# KiCad board psc_carrier_brd.kicad_pcb
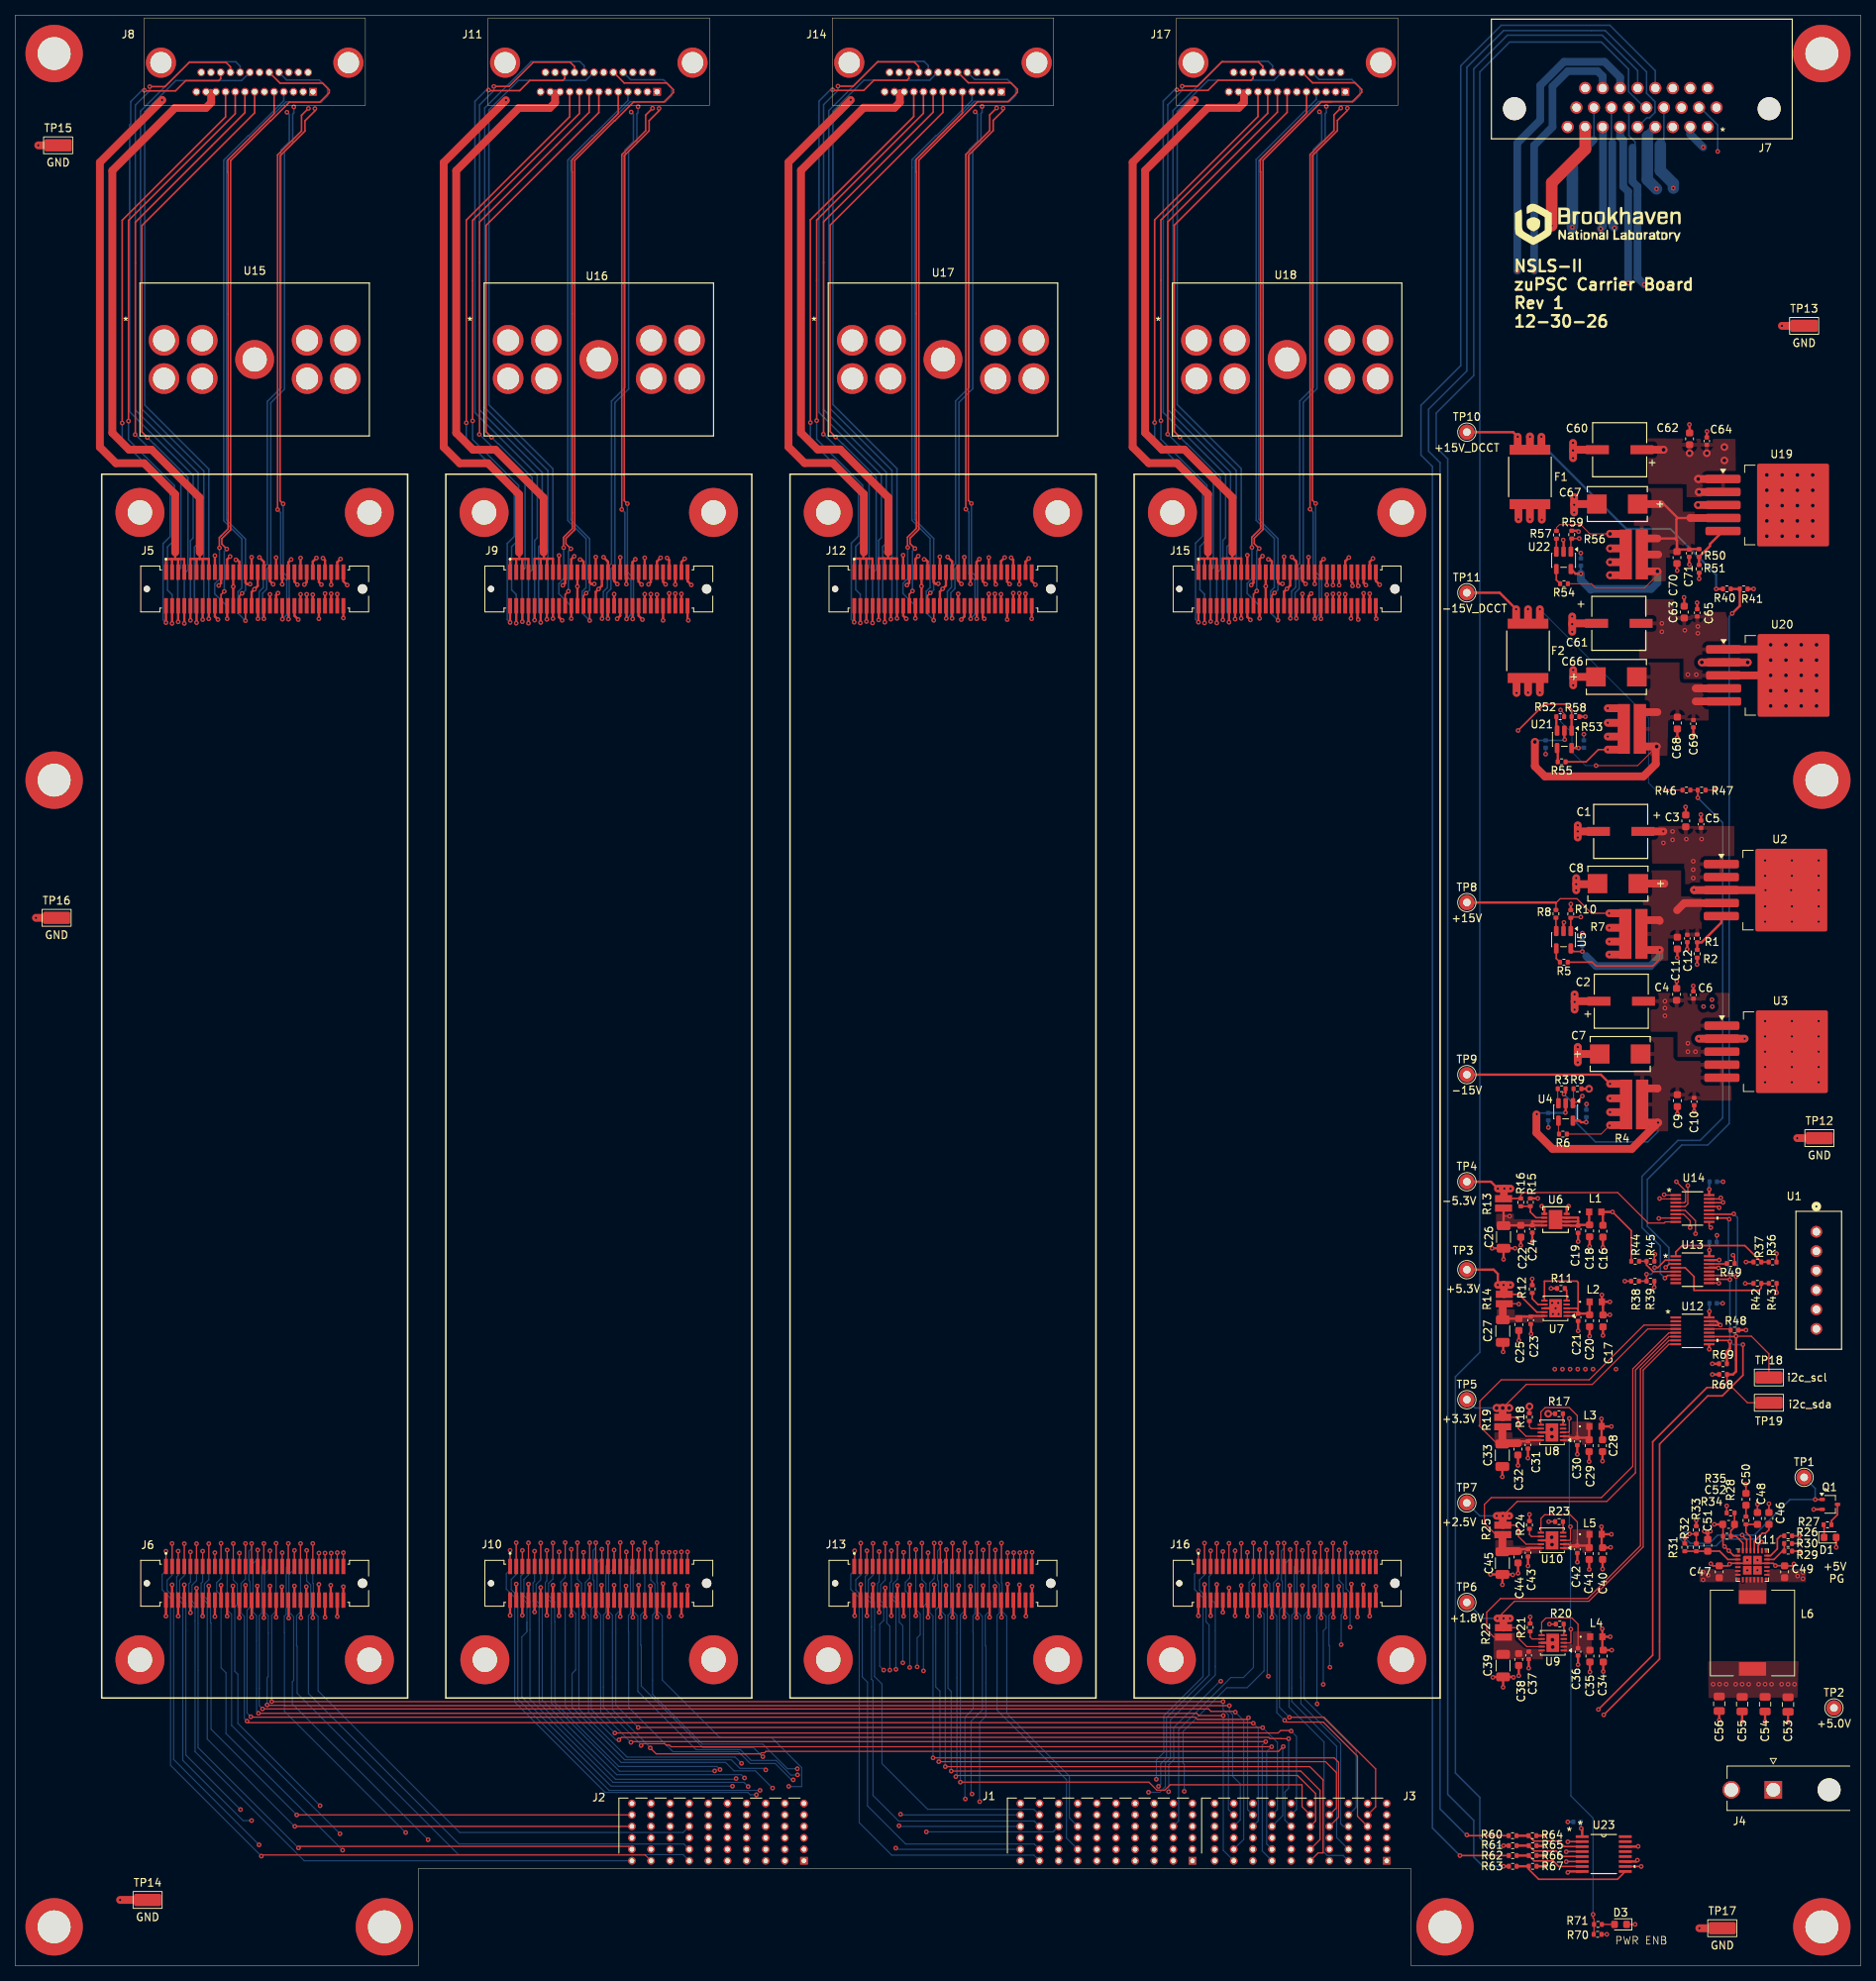
[diagram p0: board, top side]
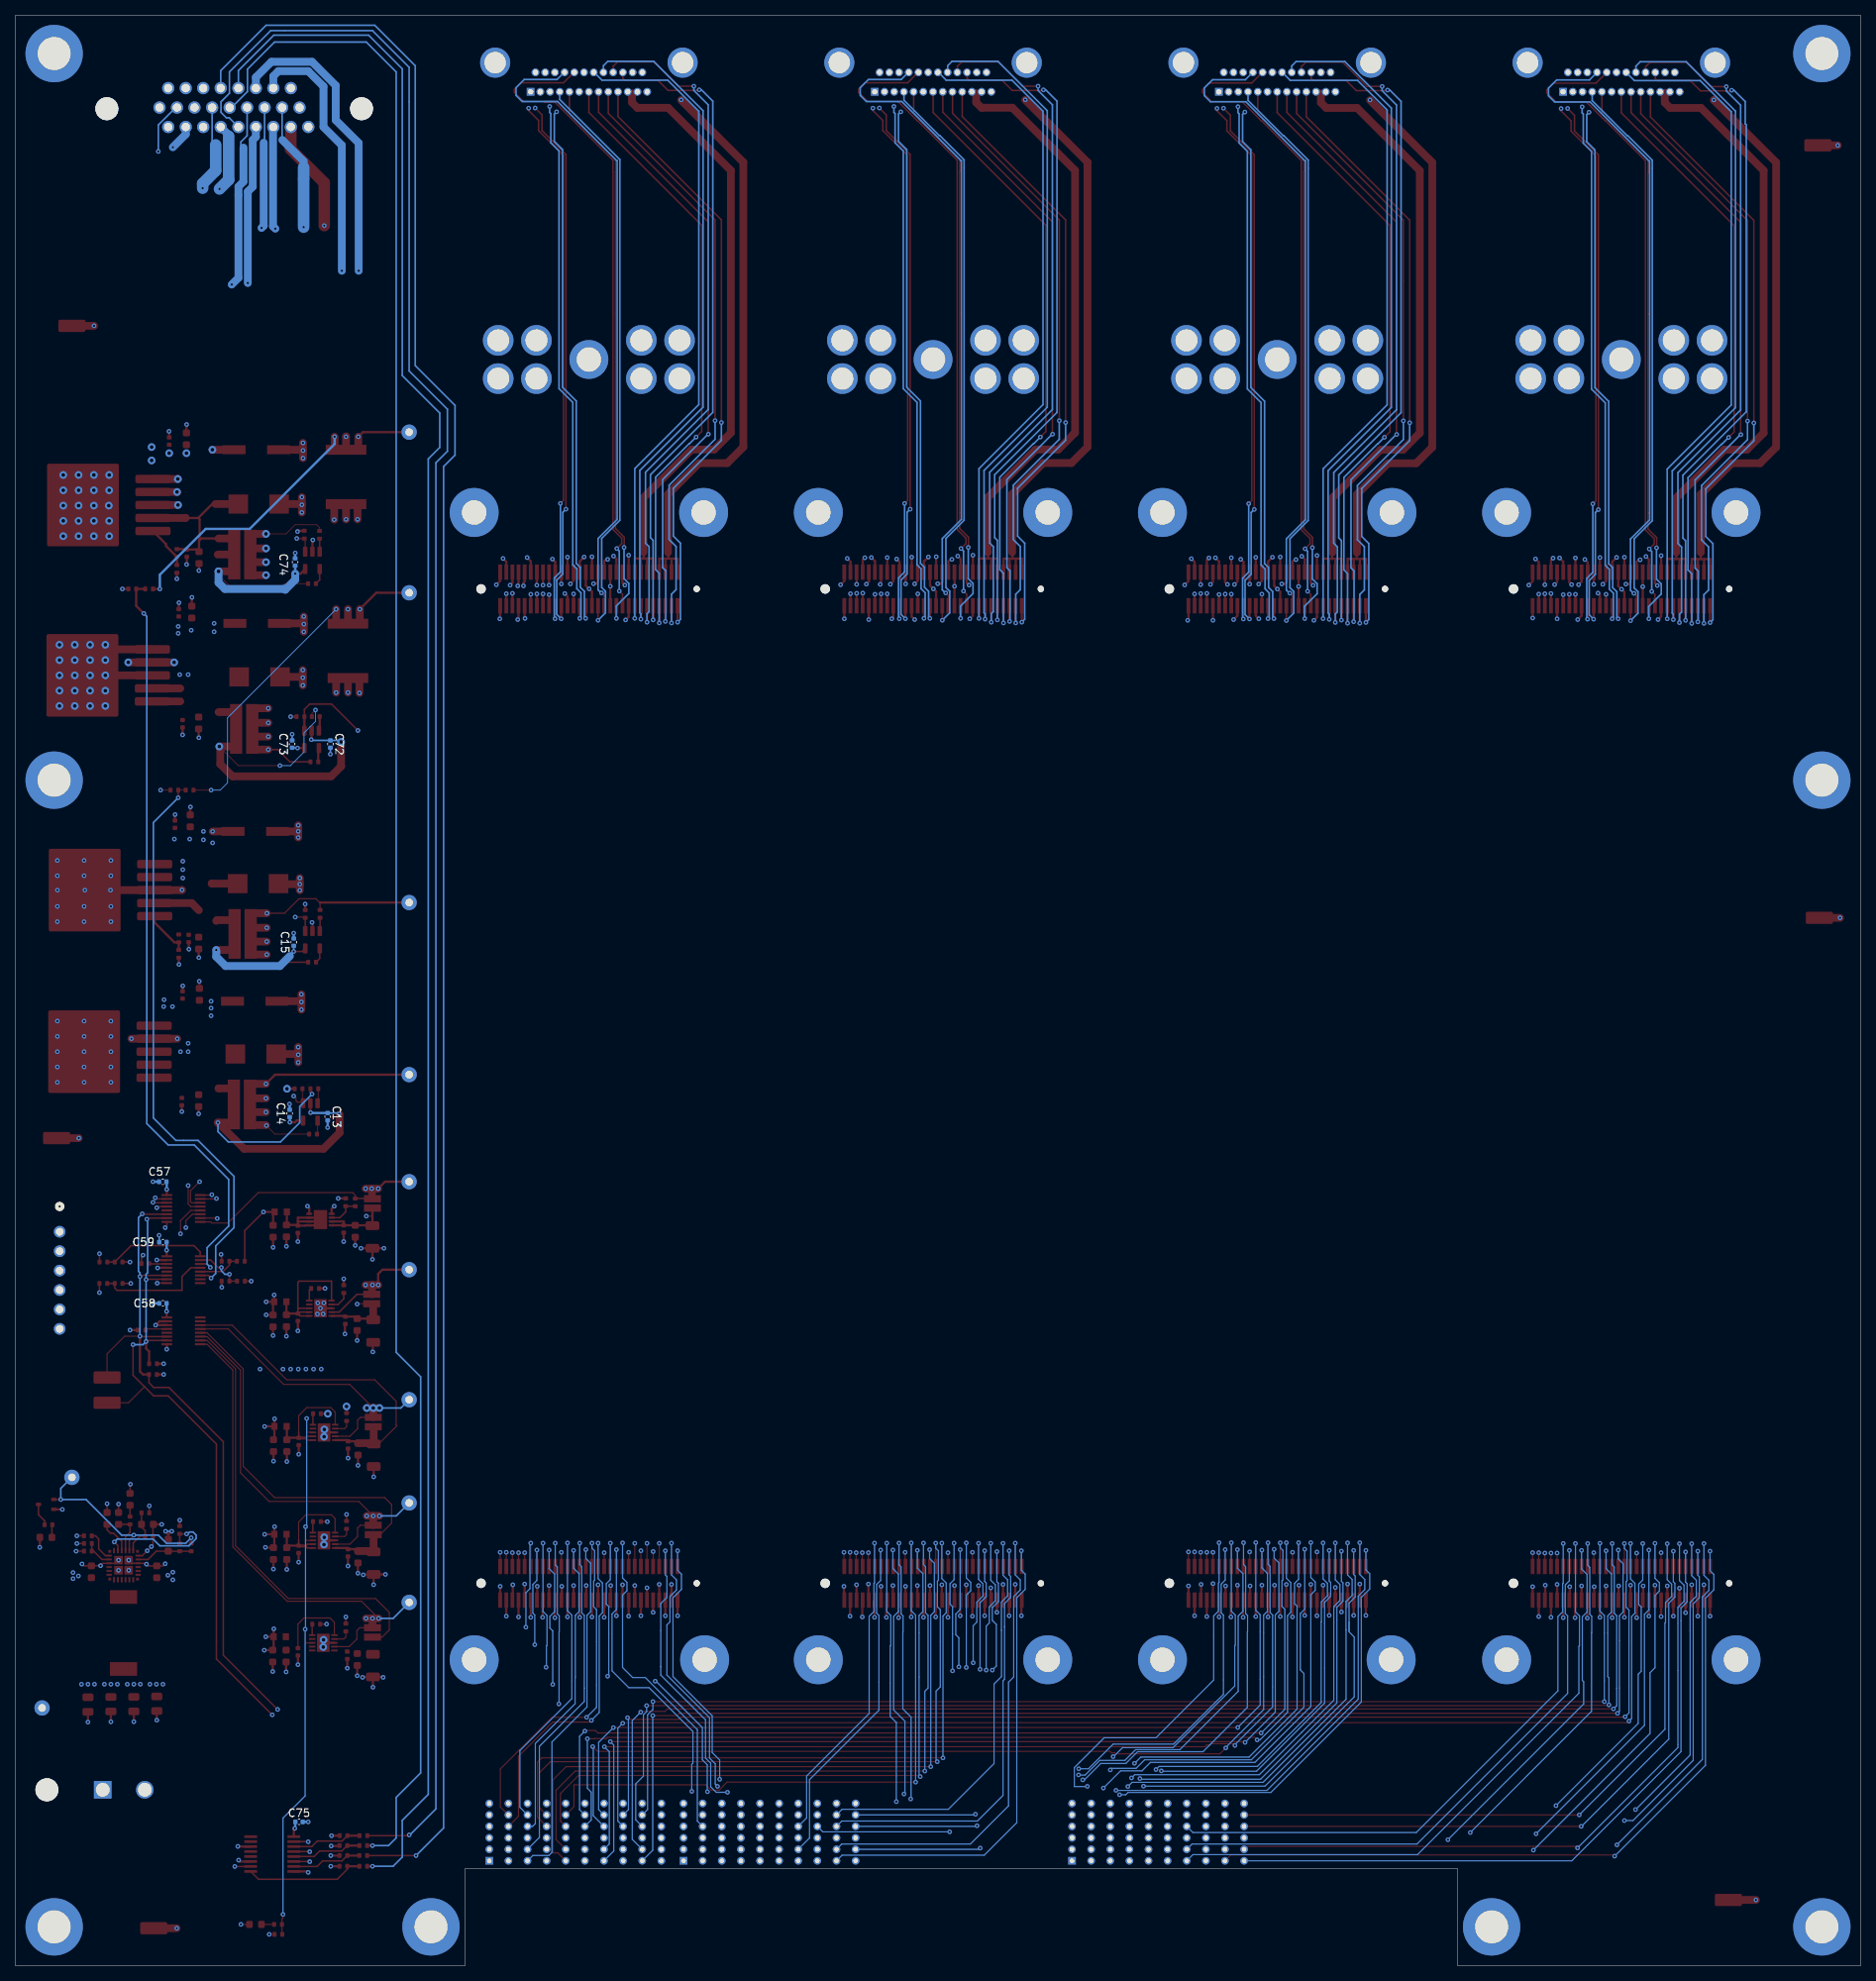
[diagram p1: board, bottom side, seen from below]

Outline 241.3 x 255 mm; copper layers: Top, In1.Cu - GND (plane), In2.Cu - Signal, In3.Cu - GND, In4.Cu - PWR, In5.Cu -PWR, In6.Cu - GND (plane), In7.Cu - SIG, In8.Cu - GND (plane), Bottom. Coordinates in mm from the lower left corner of the outline.
Outline path: 0,255 241.3,255 241.3,0 182.5,0 182.5,12.7 52.7,12.7 52.7,0 0,0 0,255
Stack: Top 0.035mm / dielectric 0.1mm FR4 er 4.5 / In1.Cu - GND 0.035mm / dielectric 0.1825mm FR4 er 4.5 / In2.Cu - Signal 0.035mm / dielectric 0.1mm FR4 er 4.5 / In3.Cu - GND 0.035mm / dielectric 0.1825mm FR4 er 4.5 / In4.Cu - PWR 0.035mm / dielectric 0.1mm FR4 er 4.5 / In5.Cu -PWR 0.035mm / dielectric 0.1825mm FR4 er 4.5 / In6.Cu - GND 0.035mm / dielectric 0.1mm FR4 er 4.5 / In7.Cu - SIG 0.035mm / dielectric 0.1825mm FR4 er 4.5 / In8.Cu - GND 0.035mm / dielectric 0.1mm FR4 er 4.5 / Bottom 0.035mm

## Placement (name value [footprint] x y rotation side)
C1  100uF  [CAP_EEFK_D8_PAN]  209.92 148.3 180 top
C2  100uF  [CAP_EEFK_D8_PAN]  209.99 126.1 0 top
C3  10uF  [C_0603_1608Metric]  218.43 149.68 90 top
C4  10uF  [C_0603_1608Metric]  217.23 127 90 top
C5  0.1uF  [C_0402_1005Metric]  220.43 149.24 90 top
C6  0.1uF  [C_0402_1005Metric]  219.43 126.92 90 top
C7  100uF  [CAPMP7.6X4.3_4.3N_KEM]  209.85 119.2 0 top
C8  100uF  [CAPMP7.6X4.3_4.3N_KEM]  209.55 141.47 180 top
C9  10uF  [C_0603_1608Metric]  217.32 113.1 270 top
C10  0.1uF  [C_0402_1005Metric]  219.53 112.97 270 top
C11  10uF  [C_0603_1608Metric]  217.32 133.7 270 top
C12  0.1uF  [C_0402_1005Metric]  218.62 134.3 270 top
C13  0.1uF  [C_0402_1005Metric]  200.45 111 270 bottom
C14  0.1uF  [C_0402_1005Metric]  205.43 111.43 90 bottom
C15  0.1uF  [C_0402_1005Metric]  204.89 133.82 90 bottom
C16  10uF  [C_0603_1608Metric]  207.59 96.03 270 top
C17  10uF  [C_0603_1608Metric]  207.6 84.3 270 top
C18  10uF  [C_0603_1608Metric]  205.85 96.07 270 top
C19  0.1uF  [C_0402_1005Metric]  204.35 96.28 270 top
C20  10uF  [C_0603_1608Metric]  205.85 84.32 270 top
C21  0.1uF  [C_0402_1005Metric]  204.35 84.78 270 top
C22  10uF  [C_0603_1608Metric]  196.85 96.03 270 top
C23  0.1uF  [C_0402_1005Metric]  198.15 84.38 270 top
C24  0.1uF  [C_0402_1005Metric]  198.36 96.32 270 top
C25  10uF  [C_0603_1608Metric]  196.6 83.82 270 top
C26  100uF  [C_1206_3216Metric]  194.6 95.28 270 top
C27  100uF  [C_1206_3216Metric]  194.5 82.97 270 top
C28  10uF  [C_0603_1608Metric]  207.54 67.99 270 top
C29  10uF  [C_0603_1608Metric]  205.79 67.99 270 top
C30  0.1uF  [C_0402_1005Metric]  204.24 68.55 270 top
C31  0.1uF  [C_0402_1005Metric]  197.79 68.08 270 top
C32  10uF  [C_0603_1608Metric]  196.48 67.54 270 top
C33  100uF  [C_1206_3216Metric]  194.44 66.74 270 top
C34  10uF  [C_0603_1608Metric]  207.64 40.49 270 top
C35  10uF  [C_0603_1608Metric]  205.89 40.49 270 top
C36  0.1uF  [C_0402_1005Metric]  204.34 41.04 270 top
C37  0.1uF  [C_0402_1005Metric]  197.89 40.58 270 top
C38  10uF  [C_0603_1608Metric]  196.58 40.04 270 top
C39  100uF  [C_1206_3216Metric]  194.54 39.24 270 top
C40  10uF  [C_0603_1608Metric]  207.55 53.88 270 top
C41  10uF  [C_0603_1608Metric]  205.8 53.88 270 top
C42  0.1uF  [C_0402_1005Metric]  204.25 54.44 270 top
C43  0.1uF  [C_0402_1005Metric]  197.8 53.98 270 top
C44  10uF  [C_0603_1608Metric]  196.49 53.44 270 top
C45  100uF  [C_1206_3216Metric]  194.45 52.63 270 top
C46  0.022uF  [C_0603_1608Metric]  229.3 58.48 90 top
C47  10uF  [C_0603_1608Metric]  222.8 51.5 90 top
C48  10pF  [C_0603_1608Metric]  227.8 58.48 90 top
C49  10uF  [C_0603_1608Metric]  231.35 51.5 90 top
C50  330pF  [C_0603_1608Metric]  226.3 60.98 90 top
C51  1uF  [C_0603_1608Metric]  221.3 54.98 90 top
C52  10pF  [C_0603_1608Metric]  224.03 57.7 0 top
C53  22uF  [C_0805_2012Metric]  231.8 34.15 270 top
C54  22uF  [C_0805_2012Metric]  228.8 34.19 270 top
C55  22uF  [C_0805_2012Metric]  225.8 34.2 270 top
C56  22uF  [C_0805_2012Metric]  222.8 34.25 270 top
C57  0.1uF  [C_0402_1005Metric]  222.02 102.5 0 bottom
C58  0.1uF  [C_0402_1005Metric]  222 86.6 0 bottom
C59  0.1uF  [C_0402_1005Metric]  222 94.6 0 bottom
C60  100uF  [CAP_EEFK_D8_PAN]  209.78 198.2 180 top
C61  100uF  [CAP_EEFK_D8_PAN]  209.68 175.5 0 top
C62  10uF  [C_0603_1608Metric]  218.93 199.62 90 top
C63  10uF  [C_0603_1608Metric]  218.23 176.97 90 top
C64  0.1uF  [C_0402_1005Metric]  221.18 199.33 90 top
C65  0.1uF  [C_0402_1005Metric]  219.93 176.88 90 top
C66  100uF  [CAPMP7.6X4.3_4.3N_KEM]  209.35 168.5 0 top
C67  100uF  [CAPMP7.6X4.3_4.3N_KEM]  209.48 191.1 180 top
C68  10uF  [C_0603_1608Metric]  217.32 162.47 270 top
C69  0.1uF  [C_0402_1005Metric]  219.43 162.38 270 top
C70  10uF  [C_0603_1608Metric]  217.28 184.1 270 top
C71  0.1uF  [C_0402_1005Metric]  218.88 184.68 270 top
C72  0.1uF  [C_0402_1005Metric]  200.1 159.72 270 bottom
C73  0.1uF  [C_0402_1005Metric]  205.1 159.72 90 bottom
C74  0.1uF  [C_0402_1005Metric]  204.71 183.52 90 bottom
C75  0.1uF  [C_0402_1005Metric]  204.2 18.8 180 bottom
D1  GREEN  [LED_0603_1608Metric]  237.3 56 0 top
D3  GREEN  [LED_0603_1608Metric]  209.9 5.4 180 top
F1  Polyfuse  [FUSE_SMDC300F&slash_24-2_LTF]  198.05 194.64 90 top
F2  Polyfuse  [FUSE_SMDC300F&slash_24-2_LTF]  197.8 171.91 90 top
G***  LOGO  [bnl_logo]  207.9 227.5 0 top
J1  6469028-1  [TE_6469028-1]  153.92 13.72 0 top
J2  6469028-1  [TE_6469028-1]  103.12 13.72 0 top
J3  6469028-1  [TE_6469028-1]  179.32 13.72 0 top
J4  39301022  [MOLEX_39301022]  229.87 23 90 top
J5  61083-061402LF  [AMPHENOL_61083-061402LF]  31.3 180 0 top
J6  61083-061402LF  [AMPHENOL_61083-061402LF]  31.3 50 0 top
J7  1731130154  [CONN_F15-26P135G0-5979_MOL]  221.3 240.4 0 top
J8  -  [0836149012]  31.3 245 180 top
J9  61083-061402LF  [AMPHENOL_61083-061402LF]  76.3 180 0 top
J10  61083-061402LF  [AMPHENOL_61083-061402LF]  76.3 50 0 top
J11  -  [0836149012]  76.3 245 180 top
J12  61083-061402LF  [AMPHENOL_61083-061402LF]  121.3 180 0 top
J13  61083-061402LF  [AMPHENOL_61083-061402LF]  121.3 50 0 top
J14  -  [0836149012]  121.3 245 180 top
J15  61083-061402LF  [AMPHENOL_61083-061402LF]  166.3 180 0 top
J16  61083-061402LF  [AMPHENOL_61083-061402LF]  166.3 50 0 top
J17  -  [0836149012]  166.3 245 180 top
L1  LSMGG160808T331RG  [IND_LSMG_160808_TAY]  206.59 98.55 0 top
L2  LSMGG160808T331RG  [IND_LSMG_160808_TAY]  206.65 86.8 0 top
L3  LSMGG160808T331RG  [IND_LSMG_160808_TAY]  206.62 70.51 0 top
L4  LSMGG160808T331RG  [IND_LSMG_160808_TAY]  206.72 43.01 0 top
L5  LSMGG160808T331RG  [IND_LSMG_160808_TAY]  206.63 56.41 0 top
L6  2.2uF  [COILCRAFT_MSS1048]  227.15 43.5 0 top
MT1  MountingHole_Pad  [MountingHole_4.3mm_M4_DIN965_Pad]  5.08 5.08 0 top
MT2  MountingHole_Pad  [MountingHole_4.3mm_M4_DIN965_Pad]  48.26 5.08 0 top
MT3  MountingHole_Pad  [MountingHole_4.3mm_M4_DIN965_Pad]  186.94 5.08 0 top
MT4  MountingHole_Pad  [MountingHole_4.3mm_M4_DIN965_Pad]  236.22 250 0 top
MT5  MountingHole_Pad  [MountingHole_4.3mm_M4_DIN965_Pad]  236.22 5.08 0 top
MT6  MountingHole_Pad  [MountingHole_4.3mm_M4_DIN965_Pad]  5.08 250 0 top
MT7  MountingHole_Pad  [MountingHole_3.2mm_M3_Pad_TopBottom]  16.3 190 0 top
MT8  MountingHole_Pad  [MountingHole_3.2mm_M3_Pad_TopBottom]  46.3 190 0 top
MT9  MountingHole_Pad  [MountingHole_3.2mm_M3_Pad_TopBottom]  16.3 40 0 top
MT10  MountingHole_Pad  [MountingHole_3.2mm_M3_Pad_TopBottom]  46.3 40 0 top
MT11  MountingHole_Pad  [MountingHole_3.2mm_M3_Pad_TopBottom]  61.3 190 0 top
MT12  MountingHole_Pad  [MountingHole_3.2mm_M3_Pad_TopBottom]  91.3 190 0 top
MT13  MountingHole_Pad  [MountingHole_3.2mm_M3_Pad_TopBottom]  61.4 40 0 top
MT14  MountingHole_Pad  [MountingHole_3.2mm_M3_Pad_TopBottom]  91.3 40 0 top
MT15  MountingHole_Pad  [MountingHole_3.2mm_M3_Pad_TopBottom]  106.3 190 0 top
MT16  MountingHole_Pad  [MountingHole_3.2mm_M3_Pad_TopBottom]  136.3 190 0 top
MT17  MountingHole_Pad  [MountingHole_3.2mm_M3_Pad_TopBottom]  106.3 40 0 top
MT18  MountingHole_Pad  [MountingHole_3.2mm_M3_Pad_TopBottom]  136.3 40 0 top
MT19  MountingHole_Pad  [MountingHole_3.2mm_M3_Pad_TopBottom]  151.3 190 0 top
MT20  MountingHole_Pad  [MountingHole_3.2mm_M3_Pad_TopBottom]  181.3 190 0 top
MT21  MountingHole_Pad  [MountingHole_3.2mm_M3_Pad_TopBottom]  151.17 40 0 top
MT22  MountingHole_Pad  [MountingHole_3.2mm_M3_Pad_TopBottom]  181.3 40 0 top
MT23  MountingHole_Pad  [MountingHole_4.3mm_M4_DIN965_Pad]  236.22 155 0 top
MT24  MountingHole_Pad  [MountingHole_4.3mm_M4_DIN965_Pad]  5.08 155 0 top
Q1  NX7002BKW  [SOT-323_SC-70]  237.27 60.31 0 top
R1  11.5K  [R_0402_1005Metric]  219.93 134.31 270 top
R2  1.0K  [R_0402_1005Metric]  219.93 132.3 270 top
R3  100  [R_0402_1005Metric]  202.2 114.65 180 top
R4  0.01  [RES_6432_SUS]  211.67 112.6 0 top
R5  100  [R_0402_1005Metric]  202.49 131.2 180 top
R6  100  [R_0402_1005Metric]  202.37 108.72 180 top
R7  0.01  [RES_6432_SUS]  211.57 134.9 0 top
R8  100  [R_0402_1005Metric]  201.45 137.52 270 top
R9  4.99K  [R_0402_1005Metric]  204.26 114.65 0 top
R10  4.99K  [R_0402_1005Metric]  203.39 137.51 90 top
R11  0  [R_0402_1005Metric]  202.1 88.55 180 top
R12  53.6K  [R_0402_1005Metric]  198.35 88.47 90 top
R13  0.22  [RESC1220X70N]  194.6 99.66 90 top
R14  0.22  [RESC1220X70N]  194.7 87.16 90 top
R15  11.5K  [R_0402_1005Metric]  196.85 99.8 270 top
R16  1.0K  [R_0402_1005Metric]  198.1 99.81 90 top
R17  0  [R_0402_1005Metric]  201.85 72.17 180 top
R18  33.2K  [R_0402_1005Metric]  197.98 71.73 90 top
R19  0.22  [RESC1220X70N]  194.49 71.08 90 top
R20  0  [R_0402_1005Metric]  201.95 44.66 180 top
R21  18.0K  [R_0402_1005Metric]  198.08 44.23 90 top
R22  0.22  [RESC1220X70N]  194.59 43.57 90 top
R23  0  [R_0402_1005Metric]  201.86 58.06 180 top
R24  24.9K  [R_0402_1005Metric]  197.99 57.62 90 top
R25  0.22  [RESC1220X70N]  194.5 56.98 90 top
R26  41.2K  [R_0402_1005Metric]  231.81 56.2 0 top
R27  1.0K  [R_0402_1005Metric]  236.96 57.65 0 top
R28  8.45K  [R_0402_1005Metric]  226.3 58.21 90 top
R29  10.2K  [R_0402_1005Metric]  231.81 54.2 180 top
R30  1.13K  [R_0402_1005Metric]  231.8 55.2 0 top
R31  4.7K  [R_0402_1005Metric]  218.3 54.7 270 top
R32  4.7K  [R_0402_1005Metric]  219.8 56.96 90 top  (not fitted)
R33  0  [R_0402_1005Metric]  219.8 54.7 90 top  (not fitted)
R34  42.2K  [R_0402_1005Metric]  223.81 56.15 0 top
R35  10.2K  [R_0402_1005Metric]  224.29 59.2 180 top
R36  9.09K  [R_0402_1005Metric]  229.78 92 180 top
R37  1.0K  [R_0402_1005Metric]  227.79 92 180 top
R38  9.09K  [R_0402_1005Metric]  211.79 89.5 0 top
R39  1.0K  [R_0402_1005Metric]  213.81 89.5 0 top
R40  9.09K  [R_0402_1005Metric]  223.8 180 0 top
R41  1.0K  [R_0402_1005Metric]  226 180 0 top
R42  9.53K  [R_0402_1005Metric]  227.79 89.2 0 top
R43  9.09K  [R_0402_1005Metric]  229.79 89.2 0 top
R44  9.53K  [R_0402_1005Metric]  211.81 92.1 0 top
R45  9.09K  [R_0402_1005Metric]  213.81 92.1 0 top
R46  9.53K  [R_0402_1005Metric]  218.51 153.7 0 top
R47  9.09K  [R_0402_1005Metric]  220.5 153.7 0 top
R48  4.99K  [R_0402_1005Metric]  224.8 83.1 180 top
R49  4.99K  [R_0402_1005Metric]  224.3 91.8 180 top
R50  11.5K  [R_0402_1005Metric]  220.17 184.7 270 top
R51  1.0K  [R_0402_1005Metric]  220.18 182.62 270 top
R52  100  [R_0402_1005Metric]  202.01 163.3 180 top
R53  0.01  [RES_6432_SUS]  211.37 161.7 0 top
R54  100  [R_0402_1005Metric]  202.5 180.69 180 top
R55  100  [R_0402_1005Metric]  202.2 157.4 180 top
R56  0.01  [RES_6432_SUS]  211.62 184.5 180 top
R57  100  [R_0402_1005Metric]  201.51 187.08 270 top
R58  4.99K  [R_0402_1005Metric]  204.01 163.3 0 top
R59  4.99K  [R_0402_1005Metric]  203.51 187.1 90 top
R60  10K  [R_0402_1005Metric]  195.78 17 0 top
R61  10K  [R_0402_1005Metric]  195.8 15.7 0 top
R62  10K  [R_0402_1005Metric]  195.8 14.4 0 top
R63  10K  [R_0402_1005Metric]  195.8 13 0 top
R64  10K  [R_0402_1005Metric]  198.38 17 0 top
R65  10K  [R_0402_1005Metric]  198.4 15.7 0 top
R66  10K  [R_0402_1005Metric]  198.4 14.4 0 top
R67  10K  [R_0402_1005Metric]  198.4 13 0 top
R68  10K  [R_0402_1005Metric]  223.31 77.3 0 top
R69  10K  [R_0402_1005Metric]  223.29 78.7 0 top
R70  10K  [R_0402_1005Metric]  206.9 4.1 0 top
R71  160  [R_0402_1005Metric]  206.94 5.4 0 top
TP1  Net-(Q1-G)  [TestPoint_THTPad_D2.0mm_Drill1.0mm]  233.9 63.85 0 top  (not fitted)
TP2  +5.0V  [TestPoint_THTPad_D2.0mm_Drill1.0mm]  237.8 33.7 0 top  (not fitted)
TP3  +5.3V  [TestPoint_THTPad_D2.0mm_Drill1.0mm]  189.8 91 0 top  (not fitted)
TP4  -5.3V  [TestPoint_THTPad_D2.0mm_Drill1.0mm]  189.8 102.5 0 top  (not fitted)
TP5  +3.3V  [TestPoint_THTPad_D2.0mm_Drill1.0mm]  189.8 74 0 top  (not fitted)
TP6  +1.8V  [TestPoint_THTPad_D2.0mm_Drill1.0mm]  189.8 47.5 0 top  (not fitted)
TP7  +2.5V  [TestPoint_THTPad_D2.0mm_Drill1.0mm]  189.8 60.5 0 top  (not fitted)
TP8  +15V  [TestPoint_THTPad_D2.0mm_Drill1.0mm]  189.8 139 0 top  (not fitted)
TP9  -15V  [TestPoint_THTPad_D2.0mm_Drill1.0mm]  189.8 116.5 0 top  (not fitted)
TP10  +15V_DCCT  [TestPoint_THTPad_D2.0mm_Drill1.0mm]  189.8 200.5 0 top  (not fitted)
TP11  -15V_DCCT  [TestPoint_THTPad_D2.0mm_Drill1.0mm]  189.8 179.5 0 top  (not fitted)
TP12  GND  [TestPoint_RCS-0C]  235.9 108.2 0 top
TP13  GND  [TestPoint_RCS-0C]  233.9 214.4 0 top
TP14  GND  [TestPoint_RCS-0C]  17.3 8.6 0 top
TP15  GND  [TestPoint_RCS-0C]  5.6 238 0 top
TP16  GND  [TestPoint_RCS-0C]  5.4 137 0 top
TP17  GND  [TestPoint_RCS-0C]  223.2 4.9 0 top
TP18  i2c_scl  [TestPoint_RCS-0C]  229.3 76.9 0 top
TP19  i2c_sda  [TestPoint_RCS-0C]  229.3 73.6 0 top
U1  3-641215-6  [3-641215-6_TYC]  235.5 95.96 270 top
U2  LT1963AEQ  [TO-263-5_TabPin3]  230.73 140.62 0 top
U3  LT3015EQ-15  [TO-263-5_TabPin3]  230.8 119.5 0 top
U4  LT6106  [SOT-23-5]  202.72 111.62 270 top
U5  LT6106  [SOT-23-5]  202.44 134.14 270 top
U6  LT3015EDDPBF  [DFN-8_DD]  201.4 97.55 180 top
U7  LT3045xDD  [DFN-10-1EP_3x3mm_P0.5mm_EP1.65x2.38mm]  201.4 85.96 180 top
U8  LT3045xDD  [DFN-10-1EP_3x3mm_P0.5mm_EP1.65x2.38mm]  200.93 69.72 180 top
U9  LT3045xDD  [DFN-10-1EP_3x3mm_P0.5mm_EP1.65x2.38mm]  201.03 42.21 180 top
U10  LT3045xDD  [DFN-10-1EP_3x3mm_P0.5mm_EP1.65x2.38mm]  200.94 55.62 180 top
U11  LT8643S  [QFN-24-4EP_4x4mm_P0.5mm_EP1.125x1.125mm]  227.14 52.36 0 top
U12  LTC2991CMS_TRPBF  [MSOP-16_MS]  219.3 83 0 top
U13  LTC2991CMS_TRPBF  [MSOP-16_MS]  219.3 91 0 top
U14  LTC2991CMS_TRPBF  [MSOP-16_MS]  219.3 99 0 top
U15  Burden  [burden]  31.3 210 0 top
U16  Burden  [burden]  76.3 210 0 top
U17  Burden  [burden]  121.3 210 0 top
U18  Burden  [burden]  166.3 210 0 top
U19  LT1963AEQ  [TO-263-5_TabPin3]  230.95 190.97 0 top
U20  LT3015EQ-15  [TO-263-5_TabPin3]  231.03 168.7 0 top
U21  LT6106  [SOT-23-5]  202.55 160.34 270 top
U22  LT6106  [SOT-23-5]  202.45 183.74 270 top
U23  CD74HC4050  [PW16]  207.7 14.6 0 top

## Library data of the parts
C1 C2 C60 C61 = -: Datasheet: EEE-FTH101XAP; Description: CAP ALUM 100UF 20% 50V SMD; MFG: Panasonic; MFG_PN: EEE-FTH101XAP; Cost: 0.44; ki_fp_filters: CAP_EEFK_D8_PAN CAP_EEFK_D8_PAN-M CAP_EEFK_D8_PAN-L
C3 C4 C9 C11 C16-C18 C20 C22 C25 C28 C29 C32 C34 C35 C38 C40 C41 C44 C62 C63 C68 C70 = -: Description: CAP CER 10UF 25V X5R 0603; Voltage: 25V; MFG_PN: CL10A106MA8NRNC; Cost: .04; MFG: Samsung; ki_fp_filters: C_*
C5 C6 C10 C12-C15 C19 C21 C23 C24 C30 C31 C36 C37 C42 C43 C57-C59 C64 C65 C69 C71-C75 = -: Description: CAP CER 0.1UF 25V X5R 0402; MFG: Taiyo Yuden; MFG_PN: TMK105BJ104KV-F; Cost: .01; ki_fp_filters: C_*
C7 C8 C66 C67 = -: Datasheet: https://content.kemet.com/datasheets/KEM_T2076_T52X-530.pdf; Description: CAP TANT POLY 100UF 25V 2917; Part: T521X107M025ATE060; MFG: Kemet; MFG_PN: T521X107M025ATE060; Cost: 3.56; ki_fp_filters: CAPMP7.6X4.3_4.3N_KEM CAPMP7.6X4.3_4.3N_KEM-M CAPMP7.6X4.3_4.3N_KEM-L
C26 C27 C33 C39 C45 = -: Description: CAP CER 100UF 10V X5R 1206; Voltage: 10V; MFG_PN: GRM31CR61A107MEA8L; Cost: 0.22; MFG: Murata; ki_fp_filters: C_*
C46 = -: Description: CAP CER 0.022UF 50V X7R 0603; MFG: Samsung; MFG_PN: CL10B223KB8NNNC; Cost: 0.01; ki_fp_filters: C_*
C47 C49 = -: Description: CAP CER 10UF 25V X5R 0603; MFG: Samsung; MFG_PN: CL10A106MA8NRNC; Cost: .04; ki_fp_filters: C_*
C48 C52 = -: Description: CAP CER 10PF 50V C0G/NP0 0603; MFG: Samsung; MFG_PN: CL10C100JB8NFNC; Cost: .01; ki_fp_filters: C_*
C50 = -: Description: CAP CER 330PF 50V X7R 0603; MFG: Samsung; MFG_PN: CL10B331KB8NNNC; Cost: 0.01; ki_fp_filters: C_*
C51 = -: Description: CAP CER 1UF 25V X7R 0603; MFG: Samsung; MFG_PN: CL10B105KA8NNNC; Cost: 0.01; ki_fp_filters: C_*
C53-C56 = -: Description: CAP CER 22UF 25V X5R 0805; MFG: Samsung; MFG_PN: CL21A226MAYNNNE; Cost: 0.04; ki_fp_filters: C_*
D1 D3 = -: Description: LED GREEN CLEAR SMD; MFG: Lite-On Inc.; MFG_PN: LTST-C191KGKT; Cost: 0.1; ki_fp_filters: LED* LED_SMD:* LED_THT:*
F1 F2 = -: Description: PTC RESET FUSE 24V 3A 2SMD; MFG: Littlefuse; MFG_PN: ASMDC300F/24-2; Cost: 0.77; ki_fp_filters: *polyfuse* *PTC*
J1-J3 = -: Description: CONN RCPT HIGH SPEED 60P EDGE MT; PARTREV: E; STANDARD: Manufacturer Recommendations; MAXIMUM_PACKAGE_HEIGHT: 8.68mm; MANUFACTURER: TE Connectivity; Cost: 17.37; MFG: TE
J4 = -: Description: CONN HEADER R/A 2POS; PARTREV: A; STANDARD: Manufacturer Recommendations; MAXIMUM_PACKAGE_HEIGHT: 11.40mm; MANUFACTURER: Molex; MFG: Molex; MFG_PN: 0039301022; Cost: 1.25
J5 J6 J9 J10 J12 J13 J15 J16 = -: Description: CONN PLUG 60POS SMD GOLD; PARTREV: AT; STANDARD: Manufacturer Recommendations; MAXIMUM_PACKAGE_HEIGHT: 5.0mm; MANUFACTURER: Amphenol; Cost: 2.81; MFG: Amphenol
J7 = -: Description: CONN D-SUB HD PLG 26POS R/A SLDR; MFR_NAME: Molex Connector Corporation; Cost: 24.50; MFG: Molex
J8 J11 J14 J17 = -: Description: CONN MICRO-D PLUG 25POS R/A SLDR; Cost: 17.82; MFG: Molex
L1-L5 = -: Description: FERRITE BEAD 330 OHM 0603 1LN; MFG: Taiyo Yuden; Cost: .01; ki_fp_filters: IND_LSMG_160808_TAY IND_LSMG_160808_TAY-M IND_LSMG_160808_TAY-L
L6 = -: Description: FIXED IND 2.2UH 9.78A 7.2MOHM SM; MFG: Coilcraft; MFG_PN: MSS1048-222NLC; Cost: 3.26; ki_fp_filters: Choke_* *Coil* Inductor_* L_*
MT1-MT24 = -: Description: Mounting Hole with connection; ki_fp_filters: MountingHole*Pad*
Q1 = -: Description: MOSFET N-CH 60V 270MA SOT323; MFG: Nexperia; MFG_PN: NX7002BKWX; Cost: 0.1
R1 R15 R50 = -: Description: ERJ-2RKF1152X; Tolerance: 1%; Cost: 0.01; MFG: Panasonic; MFG_PN: ERJ-2RKF1152X; ki_fp_filters: R_*
R2 R16 R37 R39 R41 R51 = -: Description: RES SMD 1K OHM 1% 1/10W 0402; Tolerance: 1%; MFG: Panasonic; MFG_PN: ERJ-2RKF1001X; Cost: 0.01; ki_fp_filters: R_*
R3 R5 R6 R8 R52 R54 R55 R57 = -: Description: RES SMD 100 OHM 1% 1/10W 0402; Tolerance: 1%; MFG: Panasonic; MFG_PN: ERJ-2RKF1000X; Cost: 0.01; ki_fp_filters: R_*
R4 = -: Datasheet: KRL6432E-M-R010-F-T1; Description: RES 0.01 OHM 3W 2512 WIDE; MFG: Susumu; MFG_PN: KRL6432E-M-R010-F-T1; Cost: 0.71; ki_fp_filters: RES_6432_SUS RES_6432_SUS-M RES_6432_SUS-L